# Altium PCB hand_main_board_v2.PcbDoc (part 1 of 4) (continued)
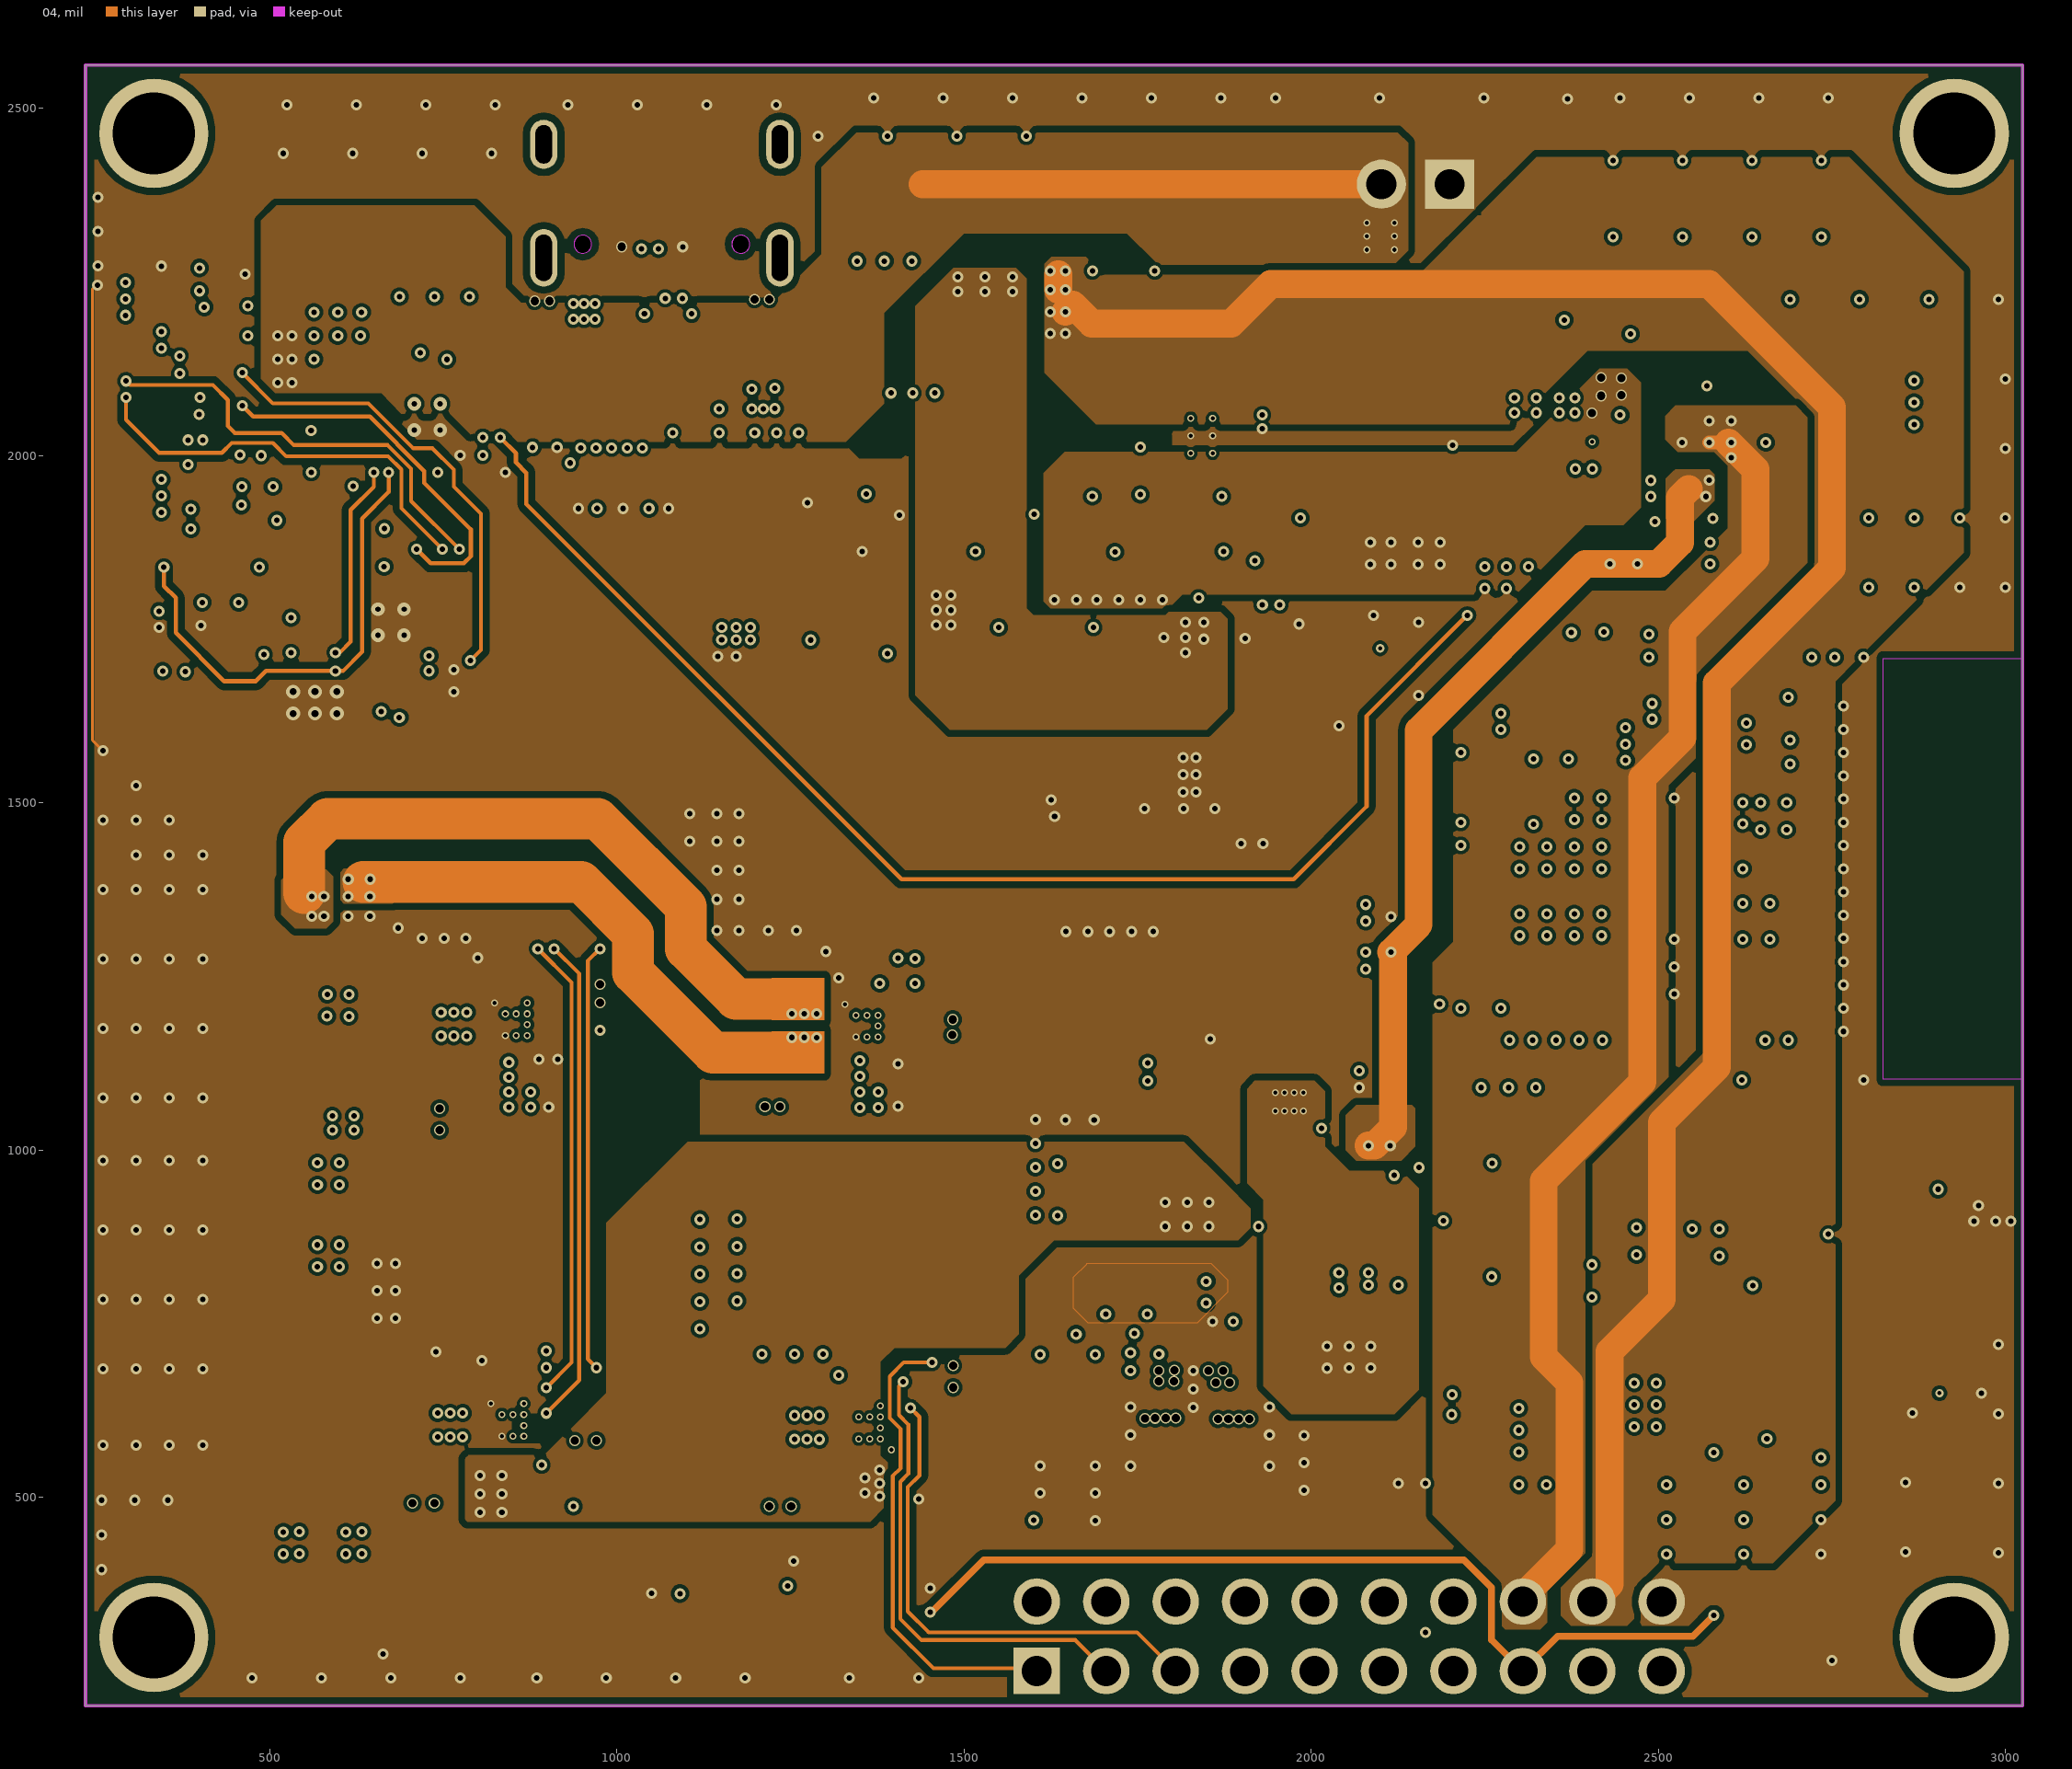
[diagram p4: 04]
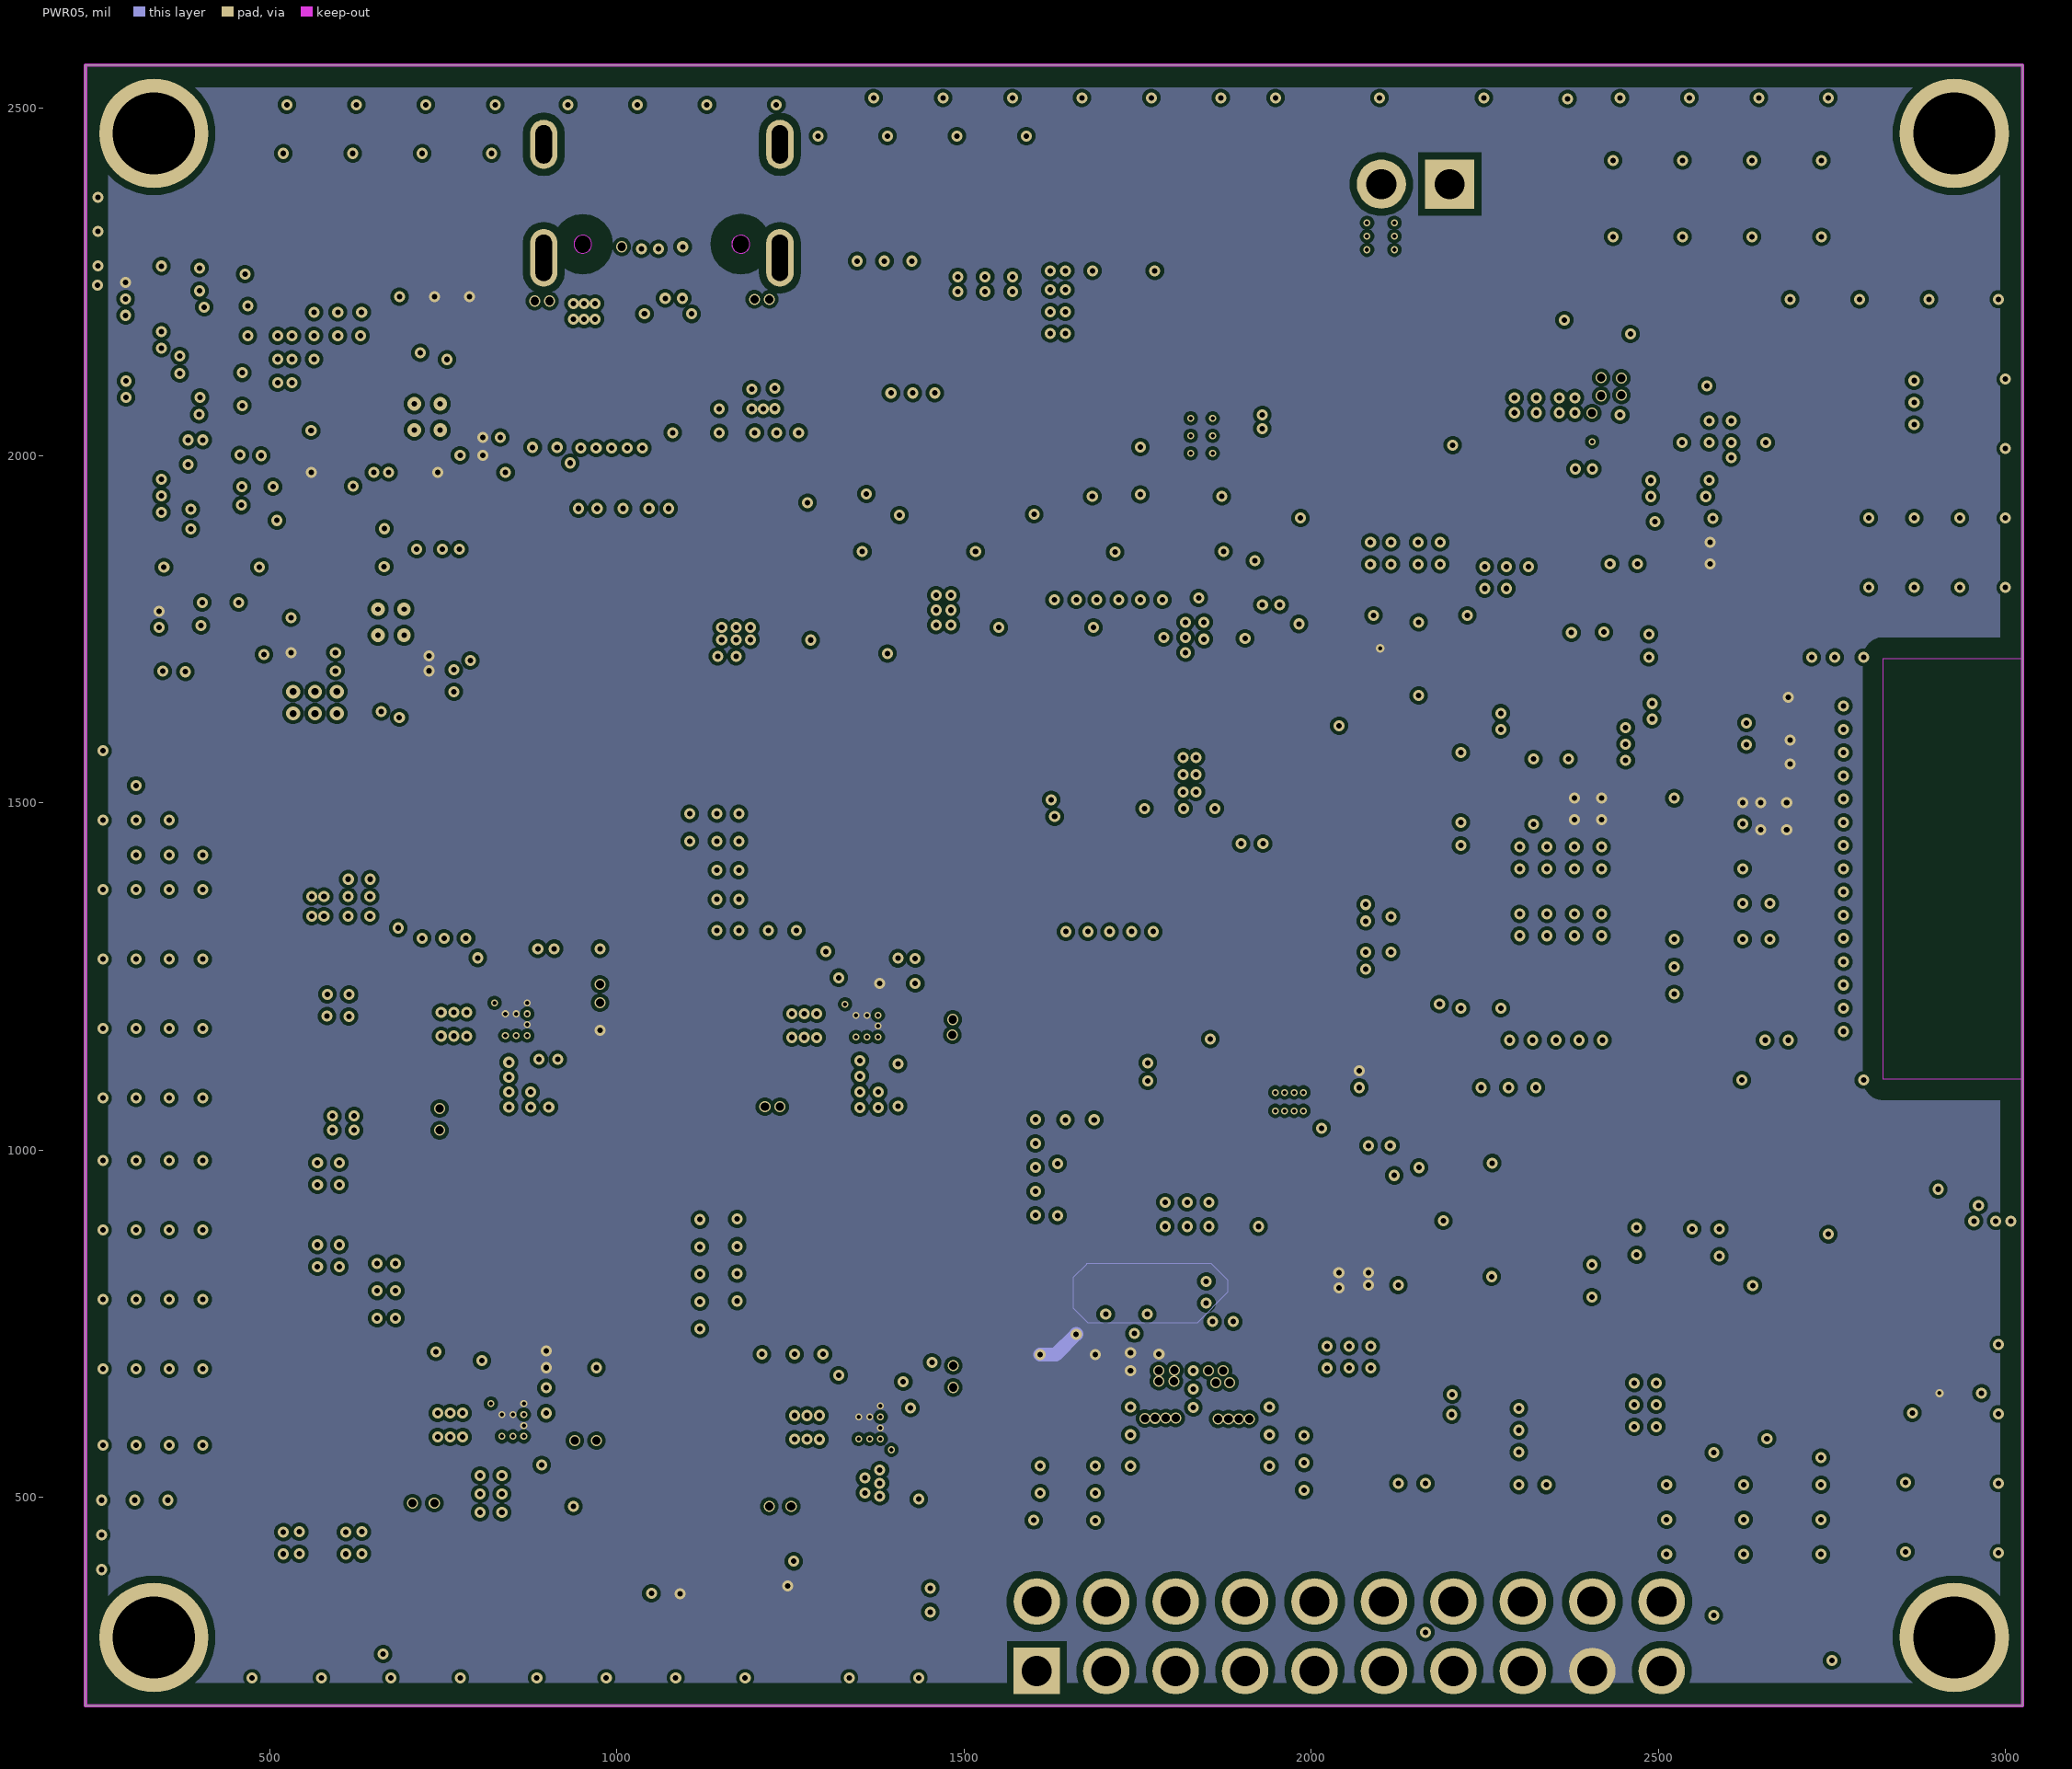
[diagram p5: PWR05]
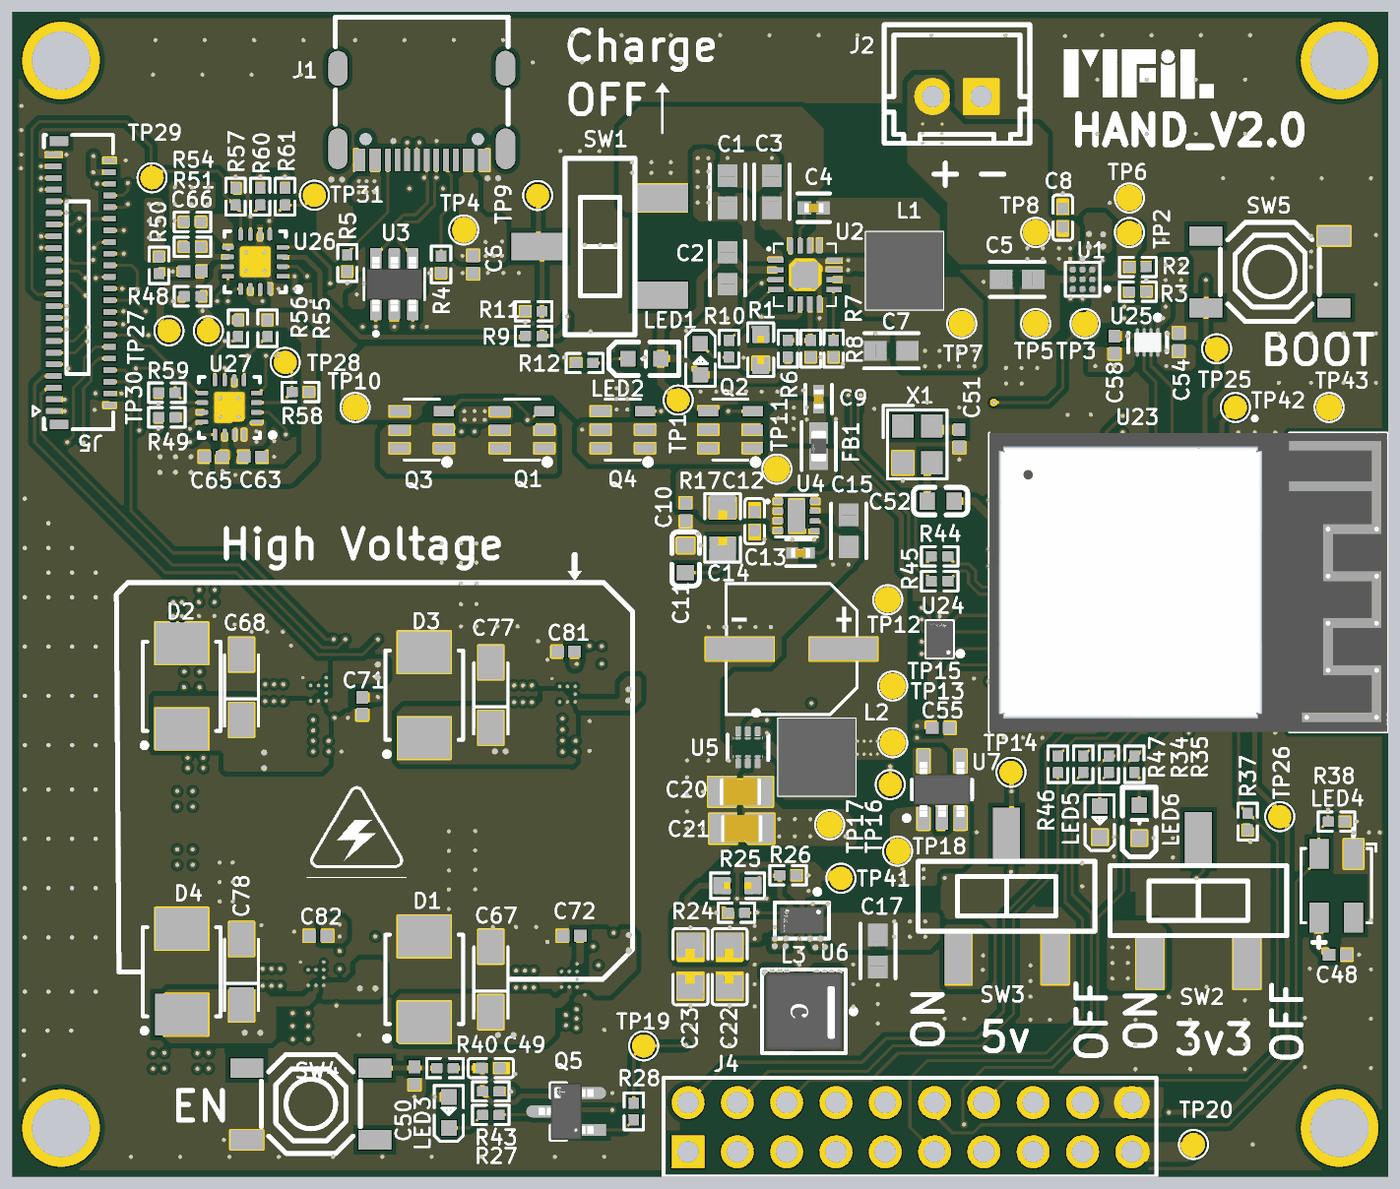
[diagram p9: 3D render of the assembled board from above, using the file's embedded part models]
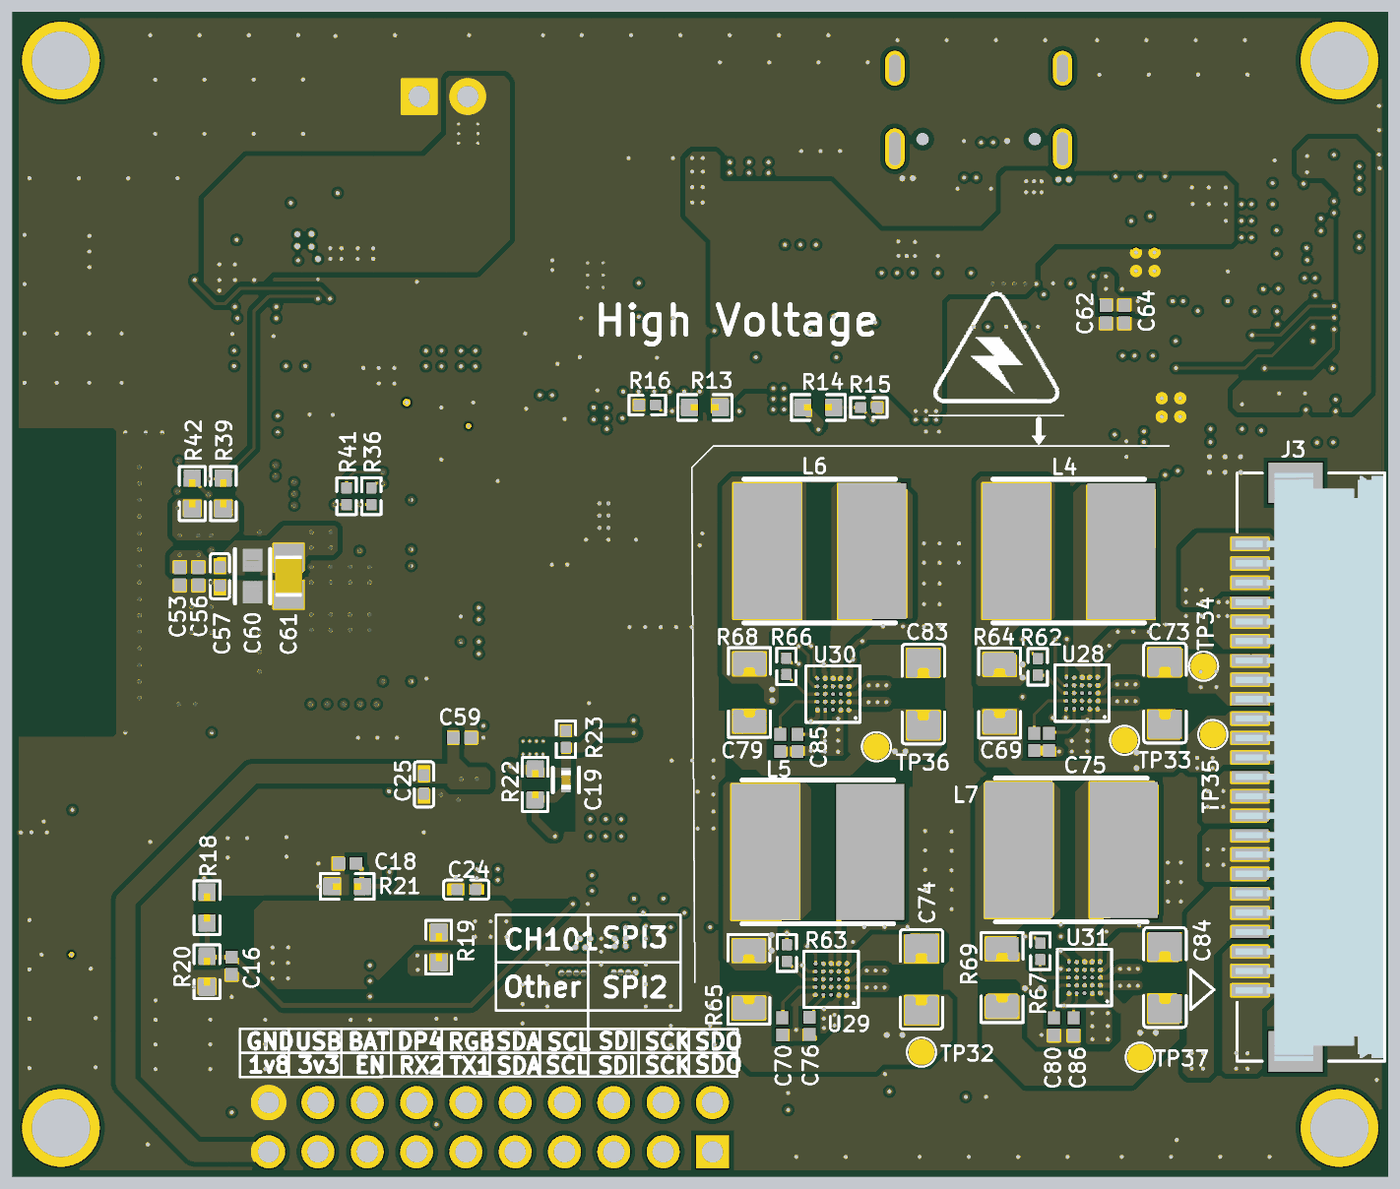
[diagram p10: 3D render of the assembled board from below, using the file's embedded part models]

## Layer stack, top to bottom
Top Solder: solder mask 0.4, Solder Resist, Dk 3.5
Top Layer: signal copper 1.4
Dielectric 2: prepreg 2.8, PP-006, Dk 4.1
GND02: signal copper 1.378
Dielectric 3: prepreg 2.8, PP-006, Dk 4.1
03: signal copper 1.378
Dielectric 1: dielectric 12.6, FR-4, Dk 4.8
04: signal copper 1.378
Dielectric 4: prepreg 2.8, PP-006, Dk 4.1
PWR05: signal copper 1.378
Dielectric 5: prepreg 2.8, PP-006, Dk 4.1
Bottom Layer: signal copper 1.4
Bottom Solder: solder mask 0.4, Solder Resist, Dk 3.5

## Board outline
235,200 235,2562.2 234.67,2562.18 3024.43,2562.18 3024.76,2562.2 3024.76,200

## Design rules (kind name [scope] priority, off if disabled: settings)
Clearance Clearance_2 [InNet('AGND') vs InNet('+3.3V')] p1: gap=5 ignorepadtopadclearanceinfootprint=FALSE except(10: Arc-Fill Arc-Poly Arc-Region Track-Fill Track-Poly Track-Region SMDPad-Fill SMDPad-Poly SMDPad-Region THPad-Fill THPad-Poly THPad-Region; 30: Fill-Fill Fill-Poly Fill-Region Poly-Poly Poly-Region Region-Region)
Clearance Clearance_1 [InNet('AGND') vs InNet('GND')] p2: gap=5 ignorepadtopadclearanceinfootprint=FALSE except(10: Arc-Fill Arc-Poly Arc-Region Track-Fill Track-Poly Track-Region SMDPad-Fill SMDPad-Poly SMDPad-Region THPad-Fill THPad-Poly THPad-Region; 30: Fill-Fill Fill-Poly Fill-Region Poly-Poly Poly-Region Region-Region)
Clearance pwr- [OnLayer('PWR05') vs OnLayer('Keep-Out Layer')] p3: gap=30 ignorepadtopadclearanceinfootprint=FALSE
Clearance [All] p4: gap=5 ignorepadtopadclearanceinfootprint=FALSE except(10: Arc-Fill Arc-Poly Arc-Region Track-Fill Track-Poly Track-Region SMDPad-Fill SMDPad-Poly SMDPad-Region THPad-Fill THPad-Poly THPad-Region Fill-Fill Fill-Poly Fill-Region Poly-Poly Poly-Region Region-Region)
DiffPairsRouting [All] p1: maxlimit=10 minlimit=8 mostfreqgap=8 toplayer_maxgap=8 toplayer_minwidth=6.23 toplayer_maxwidth=6.23 toplayer_prefwidth=6.23 midlayer1_mingap=10 midlayer1_prefgap=10 midlayer1_minwidth=15 midlayer1_maxwidth=15 midlayer1_prefwidth=15 midlayer2_maxgap=8 midlayer2_minwidth=5.66 midlayer2_maxwidth=5.66 midlayer2_prefwidth=5.66 midlayer3_maxgap=8 midlayer3_minwidth=5.66 midlayer3_maxwidth=5.66 midlayer3_prefwidth=5.66 midlayer4_mingap=10 midlayer4_prefgap=10 midlayer4_minwidth=15 midlayer4_maxwidth=15 midlayer4_prefwidth=15 bottomlayer_maxgap=8 bottomlayer_minwidth=6.23 bottomlayer_maxwidth=6.23 bottomlayer_prefwidth=6.23 maxuncoupledlength=500
PlaneConnect [All] p1: planeconnectstyle=Direct reliefexpansion=20 reliefentries=4 reliefconductorwidth=10 reliefairgap=10
PolygonConnect [All] p1: connectstyle=Direct reliefconductorwidth=10 reliefentries=4 polygonreliefangle="90 Angle" airgapwidth=10
RoutingVias [All] p1: holewidth=8 width=16 viastyle="Through Hole" minholewidth=8 minwidth=16 maxholewidth=8 maxwidth=16
SolderMaskExpansion [All] p1: expansion=2.5 istentingtop=FALSE
UnRoutedNet [All] p1: checkbadconnections=TRUE
Width pwr [InNetClass('pwr')] p1: maxlimit=1000 minlimit=6 preferedwidth=20
Width all- [All] p2: maxlimit=100 minlimit=5.61 preferedwidth=10 toplayer_minwidth=6.16 toplayer_prefwidth=6.16 midlayer1_minwidth=10 midlayer2_prefwidth=5.61 midlayer3_prefwidth=5.61 midlayer4_minwidth=10 bottomlayer_minwidth=6.16 bottomlayer_prefwidth=6.16 minimp=50.000000 maximp=50.000000 favimp=50.000000
27 further rules are at their usual default settings.

## Classes and differential pairs
net class pwr: +1.8V +3.3V +5V +V_IN +VBUS AGND BAT+ BQ27427_VDD GND VBUS_INSERT_DETECT VSYS_FILTED VSYS_SRC
component class hand_pdn_v2: C1 C2 C3 C4 C5 C6 C7 C8 C9 C10 C11 C12 C13 C14 C15 C16 C17 C18 C19 C20 C21 C22 C23 C24 C25 FB1 J1 J2 L1 L2 L3 LED1 LED2 LED3 NT1 Q1 Q2 Q3 Q4 Q5 R1 R2 R3 R4 R5 R6 R7 R8 R9 R10 R11 R12 R13 R14 R15 R16 R17 R18 R19 R20 R21 R22 R23 R24 R25 R26 R27 R28 SW1 SW2 SW3 TP1 TP2 TP3 TP4 TP5 TP6 TP7 TP8 TP9 TP10 TP11 TP12 TP13 TP14 TP15 TP16 TP17 TP18 TP19 TP20 TP41 U1 U2 U3 U4 U5 U6 U7
component class hand_main_v2: C48 C49 C50 C51 C52 C53 C54 C55 C56 C57 C58 C59 C60 C61 C62 C63 C64 C65 C66 C67 C68 C69 C70 C71 C72 C73 C74 C75 C76 C77 C78 C79 C80 C81 C82 C83 C84 C85 C86 D1 D2 D3 D4 J3 J4 L4 L5 L6 L7 LED4 LED5 LED6 R34 R35 R36 R37 R38 R39 R40 R41 R42 R43 R44 R45 R46 R47 R48 R49 R50 R51 R54 R55 R56 R57 R58 R59 R60 R61 R62 R63 R64 R65 R66 R67 R68 R69 SW4 SW5 TP25 TP26 TP27 TP28 TP29 TP30 TP31 TP32 TP33 TP34 TP35 TP36 TP37 TP42 TP43 U23 U24 U25 U26 U27 U28 U29 U30 U31 X1
differential pair USB_RES: +USB_RES_P -USB_RES_N
differential pair USB_D: +USB_D_P -USB_D_N
differential pair ESP_USB: +ESP_USB_P -ESP_USB_N

## Components (designator, comment, footprint, x,y, rotation, side; value= is the part's Value field where it differs from the comment)
C1 "2.2uF" FP-CL10-IPC_A 1685.18,2197.55 r90 top
C2 "2.2uF" FP-CL10-IPC_A 1685,2042.44 r270 top
C3 "10uF" FP-CL10-IPC_A 1775,2197.56 r270 top
C4 "47nF" FP-CL579-IPC_A 1860,2165 r0 top
C5 "2.2uF" FP-CL10-IPC_A 2272.44,2020 r180 top
C6 "100nF" CAPC1050X55X23NL05T13 1169.17,2050 r90 top
C7 "10uF" FP-CL10-IPC_A 2017.44,1875 r180 top
C8 "1uF" C0402 2365,2145 r270 top
C9 "10nF" FP-CL165-IPC_B 1870,1776.87 r90 top
C10 "100nF" CAPC1050X55X23NL05T13 1600,1547.68 r90 top
C11 "4.7uF" C0603 1600,1452.56 r270 top
C12 "1uF" C0402 1740,1529.17 r90 top
C13 "10nF" FP-CL165-IPC_B 1833.13,1465 r180 top
C14 "100uF" CAP-SMD_BD6.3-L6.6-W6.6-LS7.2-FD 1814.88,1269.99 r180 top
C15 "10uF" FP-CL10-IPC_A 1930.75,1509.57 r270 top
C16 "100nF" CAPC1050X55X23NL05T13 2580,627.68 r90 bottom
C17 "10uF" FP-CL10-IPC_A 1990,657.44 r270 top
C18 "100nF" CAPC1050X55X23NL05T13 2345,835 r0 bottom
C19 "3pF" FP-GJM155-0_05-IPC_C 1902,1004.29 r90 bottom
C20 "22uF" CAPC2013X140X45ML15T25 1711.27,980.63 r0 top
C21 "22uF" CAPC2013X140X45ML15T25 1713.86,905.63 r0 top
C22 "47uF" C0805 1689.46,625.63 r90 top
C23 "47uF" C0805 1610,625.63 r90 top
C24 "1uF" C0402 2104.06,781.93 r180 bottom
C25 "1uF" C0402 2190,995.37 r90 bottom
C48 "100nF" CAPC1050X55X23NL05T13 2922.32,650 r180 top
C49 "1uF" C0402 1205,420 r0 top
C50 "100nF" CAPC1050X55X23NL05T13 1050,405 r270 top
C51 "100nF" CAPC1050X55X23NL05T13 2155,1697.68 r90 top
C52 "20pF" C0603 2117.44,1570 r0 top
C53 "100nF" CAPC1050X55X23NL05T13 2685,1417.68 r90 bottom
C54 "100nF" CAPC1050X55X23NL05T13 2600,1892.68 r270 top
C55 "100nF" CAPC1050X55X23NL05T13 2117.32,1110 r180 top
C56 "100nF" CAPC1050X55X23NL05T13 2647.59,1417.68 r90 bottom
C57 "1uF" C0402 2603.76,1417.68 r90 bottom
C58 "100nF" CAPC1050X55X23NL05T13 2470,1887.32 r90 top
C59 "100nF" CAPC1050X55X23NL05T13 2112.68,1090 r180 bottom
C60 "10uF" FP-CL10-IPC_A 2537.58,1417.68 r270 bottom
C61 "22uF" CAPC2013X140X45ML15T25 2464.52,1417.68 r90 bottom
C62 "100nF" CAPC1050X55X23NL05T13 807.01,1949.07 r270 bottom
C63 "100nF" CAPC1050X55X23NL05T13 722.32,1660 r0 top
C64 "100nF" CAPC1050X55X23NL05T13 769.6,1949.07 r270 bottom
C65 "100nF" CAPC1050X55X23NL05T13 642.68,1660 r180 top
C66 "100nF" CAPC1050X55X23NL05T13 600.19,2035.79 r0 top
C67 "10uF" CAP-SMD_L3.2-W1.6-RD-C7171 1205,600 r90 top
C68 "10uF" CAP-SMD_L3.2-W1.6-RD-C7171 699.43,1192.35 r90 top
C69 "100nF" CAPC1050X55X23NL05T13 952.43,1081.42 r90 bottom
C70 "100nF" CAPC1050X55X23NL05T13 1463.39,504.74 r90 bottom
C71 "100nF" CAPC1050X55X23NL05T13 944.17,1155 r90 top
C72 "100nF" CAPC1050X55X23NL05T13 1368.91,688.22 r0 top
C73 "10nF" C1206 687.27,1180.52 r270 bottom
C74 "10nF" C1206 1181.08,600 r270 bottom
C75 "100nF" CAPC1050X55X23NL05T13 922.43,1081.42 r90 bottom
C76 "100nF" CAPC1050X55X23NL05T13 1407.94,505.67 r90 bottom
C77 "10uF" CAP-SMD_L3.2-W1.6-RD-C7171 1205,1176.39 r90 top
C78 "10uF" CAP-SMD_L3.2-W1.6-RD-C7171 699.43,615.34 r90 top
C79 "100nF" CAPC1050X55X23NL05T13 1467.43,1079.4 r90 bottom
C80 "100nF" CAPC1050X55X23NL05T13 912.43,504.4 r90 bottom
C81 "100nF" CAPC1050X55X23NL05T13 1357.68,1265 r0 top
C82 "100nF" CAPC1050X55X23NL05T13 855.1,688.22 r0 top
C83 "10nF" C1206 1177.27,1178.51 r270 bottom
C84 "10nF" C1206 687.27,603.51 r270 bottom
C85 "100nF" CAPC1050X55X23NL05T13 1432.43,1079.4 r90 bottom
C86 "100nF" CAPC1050X55X23NL05T13 872.43,504.4 r90 bottom
D1 "SZ1SMB5919BT3G" ONSC-SMB-2-403A-03_H_V 1070,600 r90 top
D2 "SZ1SMB5919BT3G" ONSC-SMB-2-403A-03_H_V 578.17,1194.35 r90 top
D3 "SZ1SMB5919BT3G" ONSC-SMB-2-403A-03_H_V 1070,1176.39 r90 top
D4 "SZ1SMB5919BT3G" ONSC-SMB-2-403A-03_H_V 578.17,615.34 r90 top
FB1 "70Ω" FP-BLM18-0_15-t0_5-d1_2-IPC_B 1870,1681.62 r270 top
J1 "TYPE-C16PIN" USB-C-SMD_TYPE-C16PIN 1065,2355 r180 top
J2 "ZX-XH2.54-2PZZ" CONN-TH_2P-P2.50_HX25003-2A 2150.45,2390.7 r180 top
J3 "522072460" CON_522072460_MOL 391.02,1030.42 r90 bottom locked
J4 "PH2.54-2x10" HDR-TH_20P-P2.54-V-M-R2-C10-S2.54 2055,300 r0 top
J5 "FH35C-45S-0.3SHW(50)" FPC-SMD_FH35C-45S-0.3SHW-50 375.31,2012.87 r270 top locked
L1 "1uH" XEL4030101MED 2044.05,2037.21 r270 top
L2 "1uH" XEL4030101MED 1866.27,1050.63 r270 top
L3 "0.47uH" FP-XFL4015-MFG 1840,535 r180 top
L4 "10uH" IND-SMD_L7.8-W7.0-A 882.43,1468.74 r180 bottom
L5 "10uH" IND-SMD_L7.8-W7.0-A 1391.23,858.22 r180 bottom
L6 "10uH" IND-SMD_L7.8-W7.0-A 1387.43,1468.74 r180 bottom